# Altium PCB US_SB_GHW.PcbDoc (part 1 of 2)
Units mm, origin at the board's own origin, x right, y up, seen from the top; angles counter-clockwise.
Board outline 89 x 93.3 mm, 2 copper layers (Top Layer, Bottom Layer); 129 components, 87 nets, 555 pads, 277 vias.
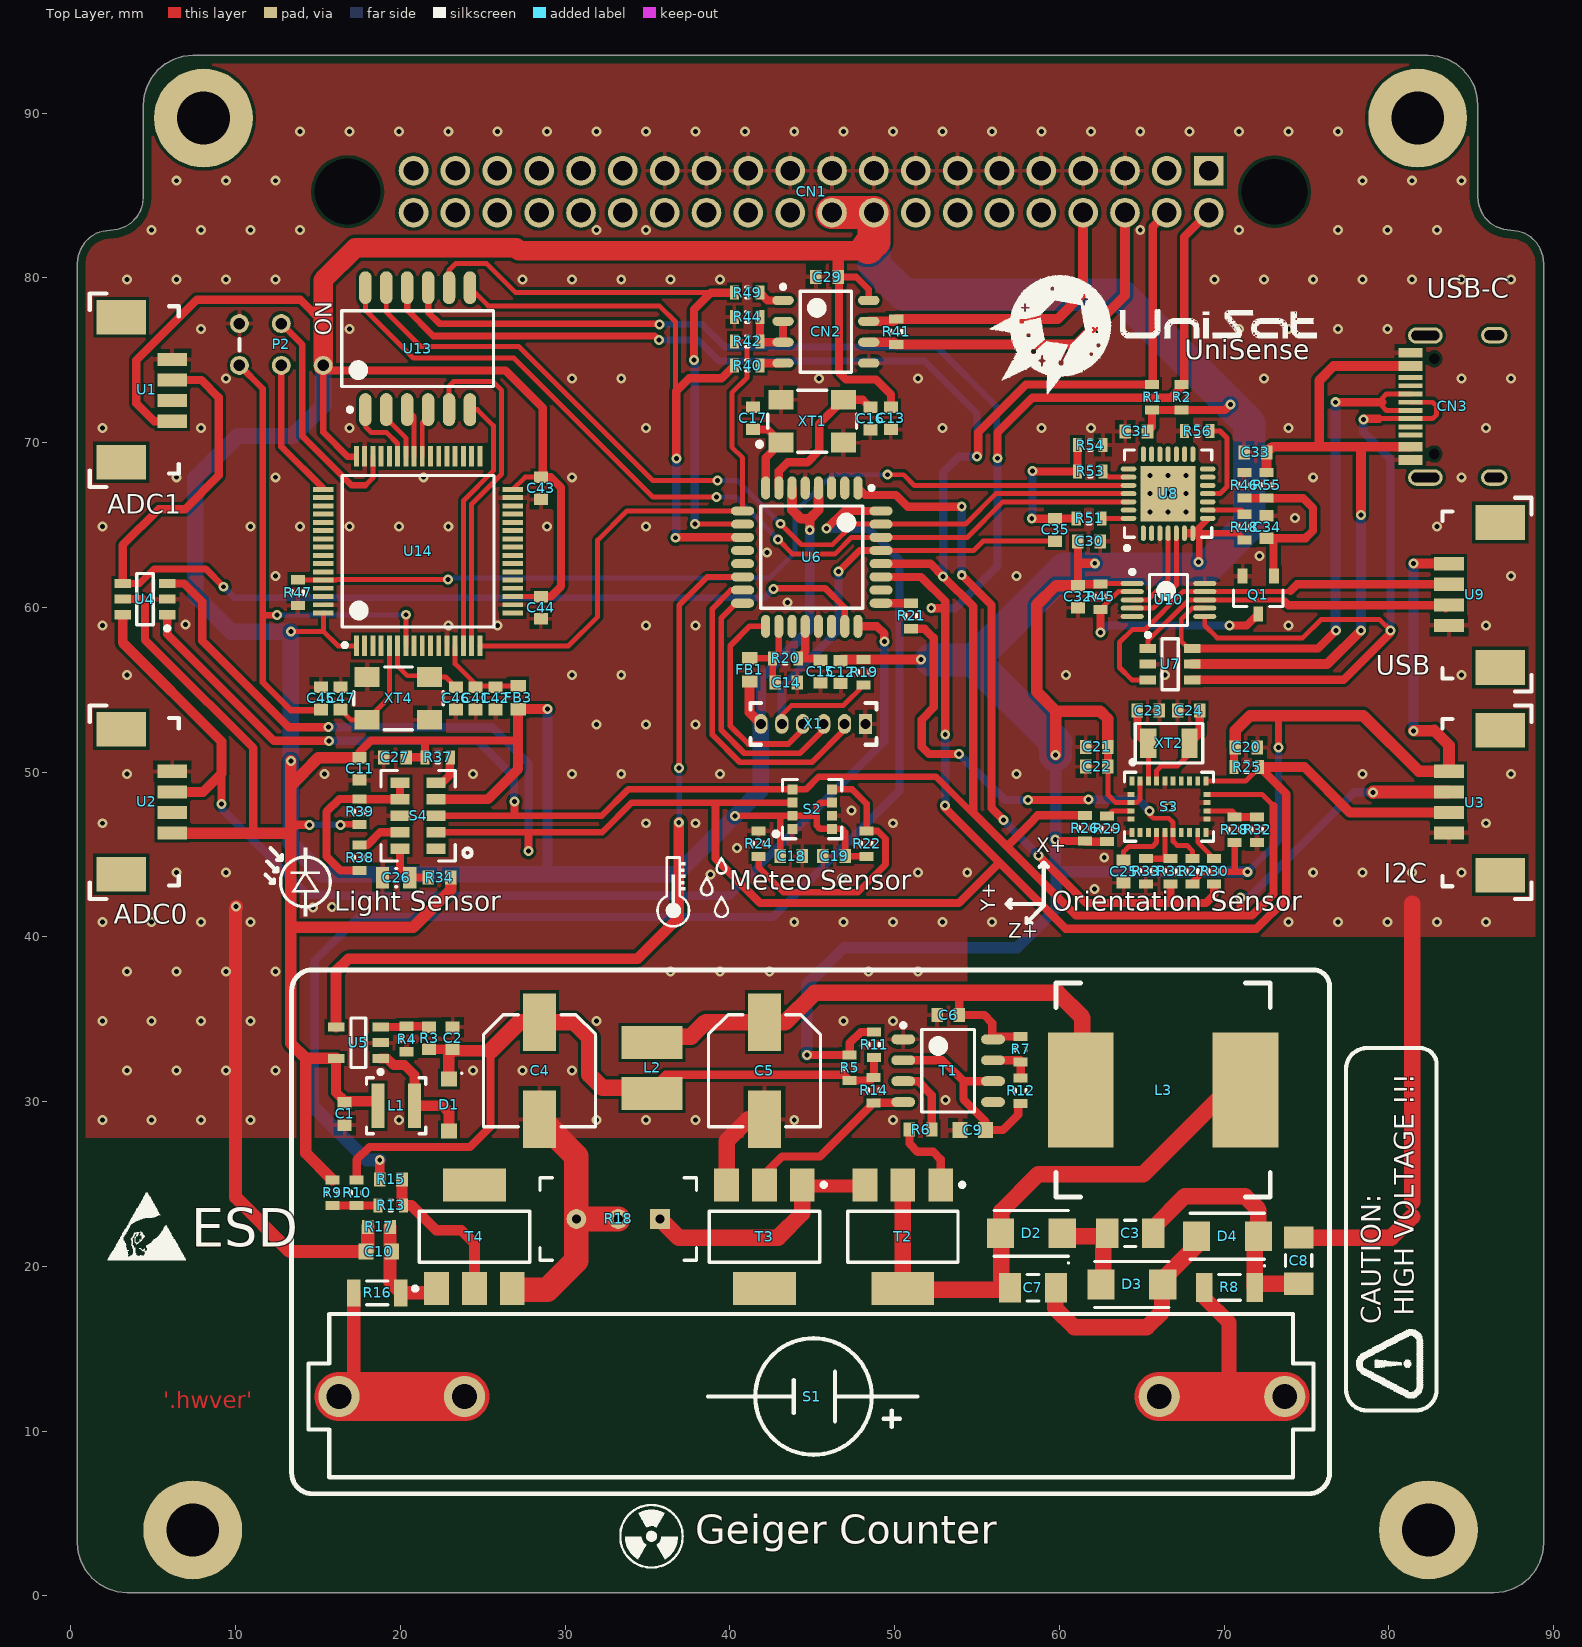
[diagram p0: Top Layer view]
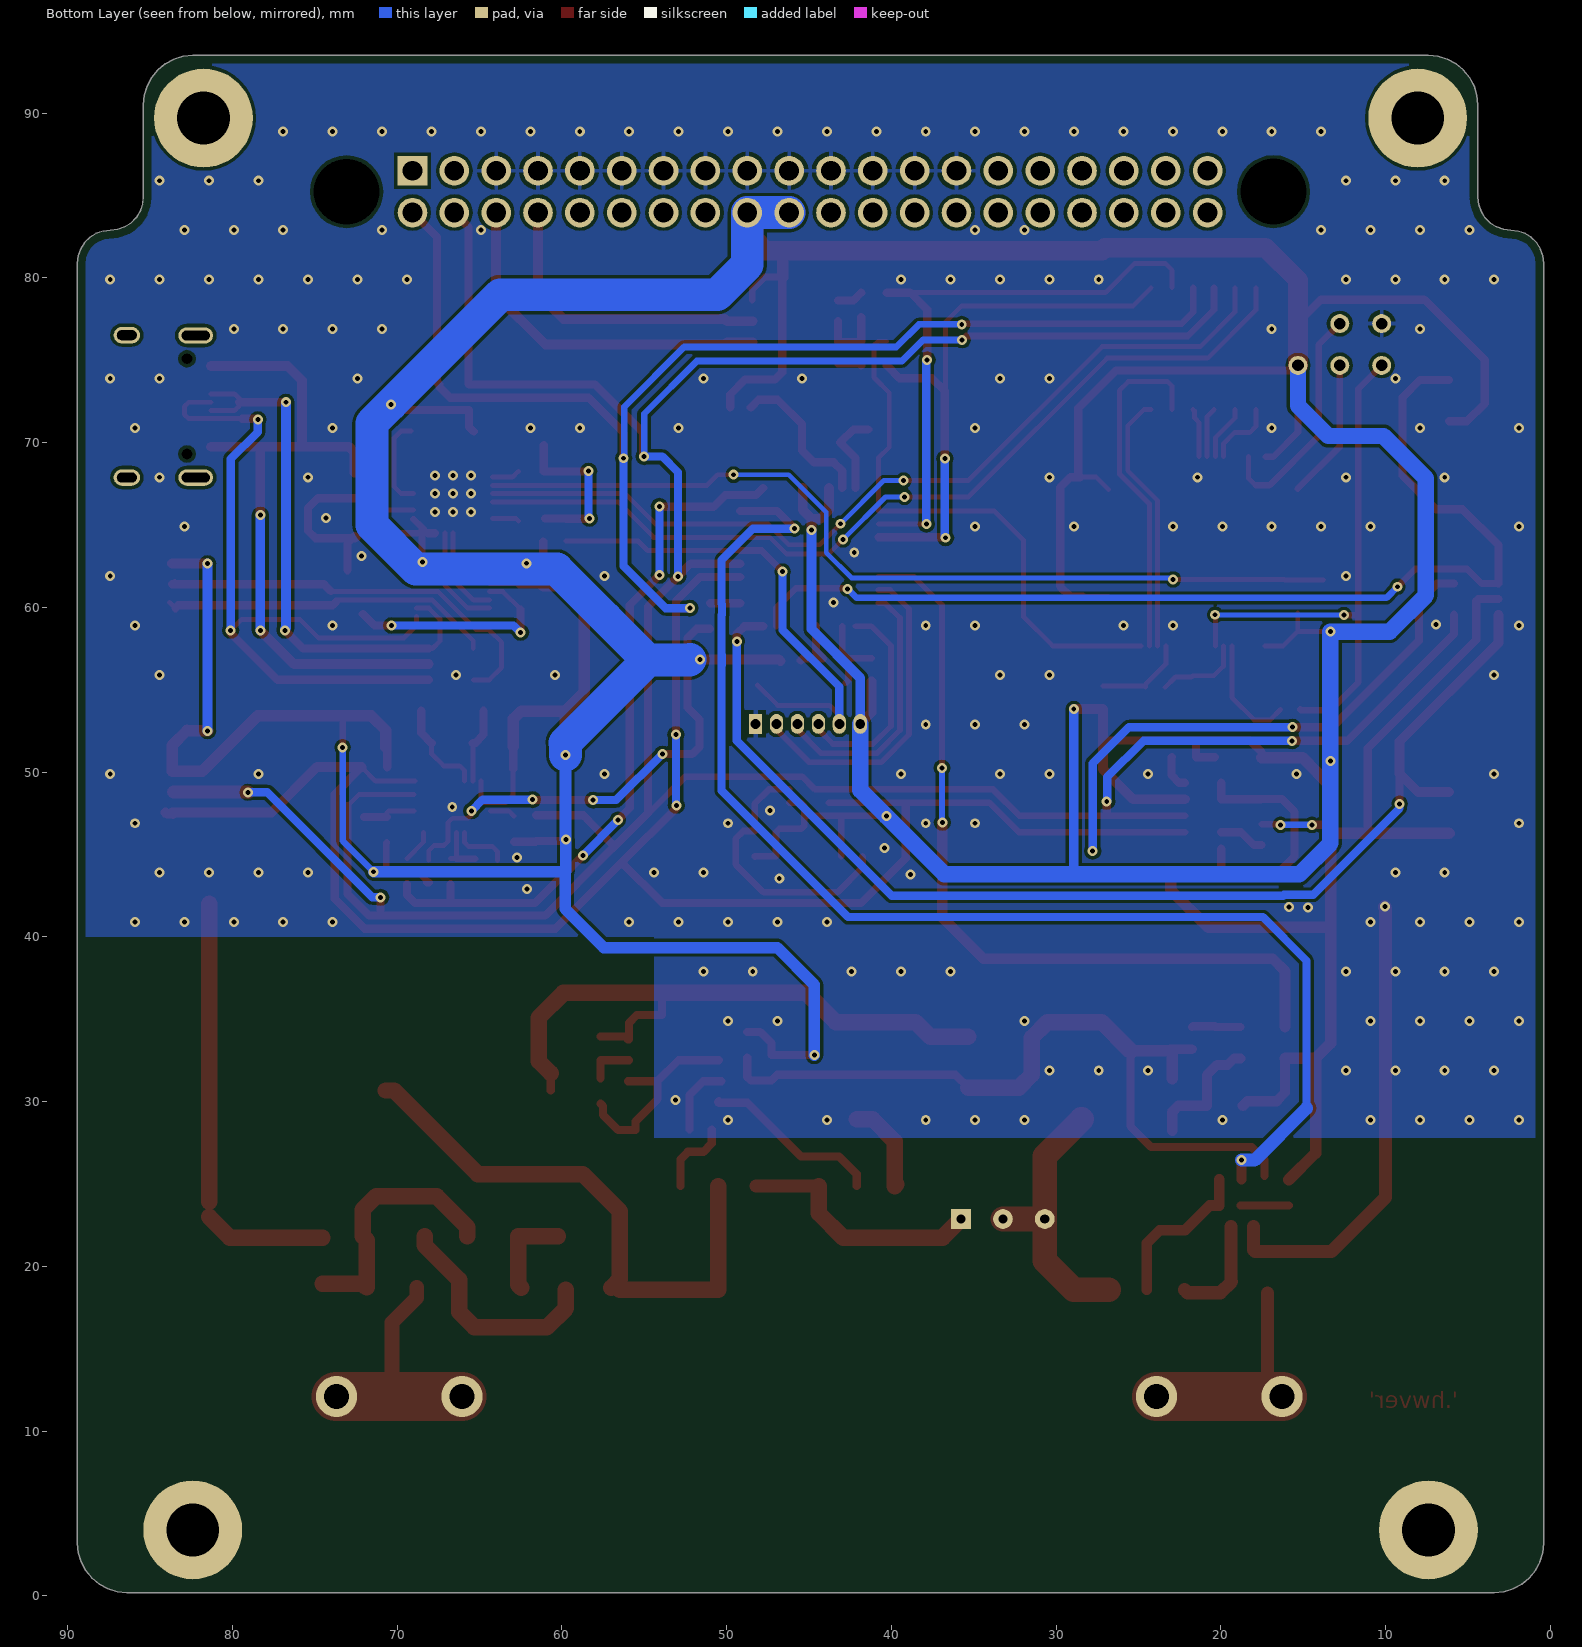
[diagram p1: Bottom Layer view, seen from below]
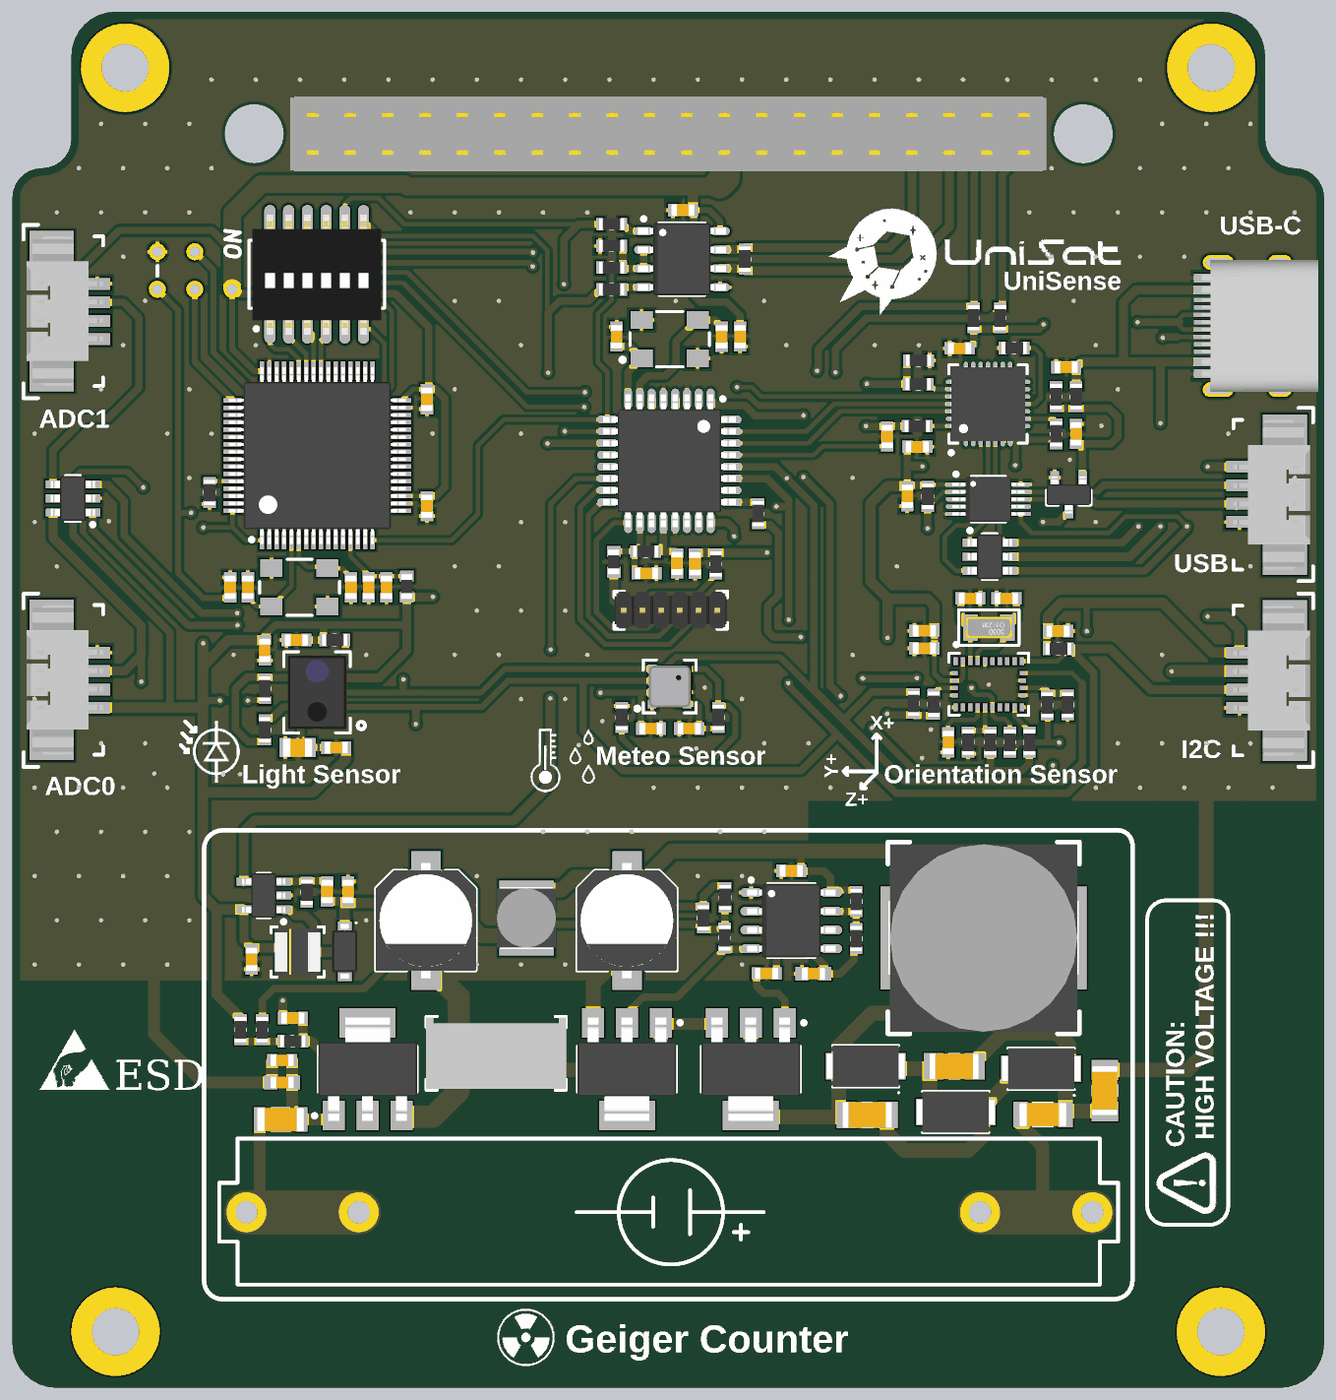
[diagram p3: 3D render of the assembled board from above, using the file's embedded part models]

## Layer stack, top to bottom
Top Solder: solder mask 0.0102, Solder Resist, Dk 3.5
Top Layer: signal copper 0.0356
Dielectric 1: dielectric 0.32, FR-4, Dk 4.8
Bottom Layer: signal copper 0.0356
Bottom Solder: solder mask 0.0102, Solder Resist, Dk 3.5

## Board outline
82.4,93.5 7.4,93.5 6.815,93.442 6.252,93.272 5.733,92.994 5.279,92.621 4.906,92.167 4.628,91.648 4.458,91.085 4.4,90.5 4.4,84.892 4.35,84.447 4.202,84.024 3.964,83.645 3.647,83.329 3.268,83.09 2.845,82.942 2.4,82.892 1.955,82.842 1.532,82.694 1.153,82.456 0.836,82.139 0.598,81.76 0.45,81.337 0.4,80.892 0.4,3.2 0.458,2.615 0.628,2.052 0.906,1.533 1.279,1.079 1.733,0.706 2.252,0.428 2.815,0.258 3.4,0.2 86.4,0.2 86.985,0.258 87.548,0.428 88.067,0.706 88.521,1.079 88.894,1.533 89.172,2.052 89.342,2.615 89.4,3.2 89.4,80.892 89.35,81.337 89.202,81.76 88.964,82.139 88.647,82.456 88.268,82.694 87.845,82.842 87.4,82.892 86.955,82.942 86.532,83.09 86.153,83.329 85.836,83.645 85.598,84.024 85.45,84.447 85.4,84.892 85.4,90.5 85.342,91.085 85.172,91.648 84.894,92.167 84.521,92.621 84.067,92.994 83.548,93.272 82.985,93.442

## Design rules (kind name [scope] priority, off if disabled: settings)
BoardOutlineClearance [All] p1: gap=0.5
Clearance [All] p1: gap=0.2
HoleSize [All] p1: absolutevalues=TRUE maxlimit=6.2 minlimit=0.3 maxpercent=80.000 minpercent=20.000
MinimumSolderMaskSliver MinimumSolderMaskSliver_SOTFL5 [HasFootprint('SOTFL5')] p1: minsoldermaskwidth=0.051
MinimumSolderMaskSliver MinimumSolderMaskSliver_cp2102 [HasFootprint('CP2102\9_QFN50P500X500X80_HS-29N')] p2: minsoldermaskwidth=0.051
MinimumSolderMaskSliver MinimumSolderMaskSliver_typec [HasFootprint('TYPE-C-C165948')] p3: minsoldermaskwidth=0.075
MinimumSolderMaskSliver MinimumSolderMaskSliver_msop10 [HasFootprint('MSOP-10')] p4: minsoldermaskwidth=0.075
MinimumSolderMaskSliver MinimumSolderMaskSliver_ALL [All] p5: minsoldermaskwidth=0.102
PolygonConnect [InNet('GND')and IsVia] p1: connectstyle=Direct reliefconductorwidth=0.254 reliefentries=4 polygonreliefangle="90 Angle" airgapwidth=0.254
PolygonConnect PolygonConnect_ALL [All] p2: connectstyle=Relief reliefconductorwidth=0.254 reliefentries=4 polygonreliefangle="90 Angle" airgapwidth=0.254
RoutingVias [All] p1: holewidth=0.3 width=0.605 viastyle="Through Hole" minholewidth=0.3 minwidth=0.605 maxholewidth=6 maxwidth=6
SilkToSolderMaskClearance [IsPad] p1: minsilkscreentomaskgap=0.152 clearancetoexposedcopper=TRUE
SolderMaskExpansion [All] p1: expansion=0.102
Width [All] p1: maxlimit=10 minlimit=0.254 preferedwidth=0.254
27 further rules are at their usual default settings.

## Classes and differential pairs
component class Designator: C30 C31 C32 C33 C34 C35 CN3 Q1 R45 R46 R48 R51 R53 R54 R55 R56 U7 U8 U9 U10

## Components (designator, comment, footprint, x,y, rotation, side; value= is the part's Value field where it differs from the comment)
C1 "1u" C0603_IPC_HD 16.625,29.25 r90 top
C2 "1u" C0603_IPC_HD 23.175,33.85 r270 top
C3 "10nF" Chip2Pin1206_10n 64.3,22 r0 top
C4 "100uF" CAPAE7866X77_100uF16V 28.45,31.875 r270 top
C5 "100uF" CAPAE7866X77_100uF16V 42.1,31.875 r270 top
C6 "100n" C0603_IPC_HD 53.25,35.25 r180 top
C7 "10nF" Chip2Pin1206_10n 58.4,18.7 r0 top
C8 "10nF" Chip2Pin1206_10n 74.525,20.35 r270 top
C9 "1nF" C0603_IPC_MD 54.75,28.275 r0 top
C10 "1nF" C0603_IPC_MD 18.7,20.9 r0 top
C11 "100n" C0603_IPC_HD 17.525,50.2 r270 top
C12 "100n" C0603_IPC_HD 46.725,56.075 r270 top
C13 "100n" C0603_IPC_HD 49.775,71.475 r270 top
C14 "100n" C0603_IPC_HD 43.425,55.425 r0 top
C15 "100n" C0603_IPC_HD 45.5,56.1 r270 top
C16 "18p" C0603_IPC_HD 48.525,71.461 r90 top
C17 "18p" C0603_IPC_HD 41.4,71.475 r270 top
C18 "100n" C0603_IPC_HD 43.725,44.9 r180 top
C19 "100n" C0603_IPC_HD 46.325,44.9 r0 top
C20 "100n" C0603_IPC_HD 71.35,51.507 r0 top
C21 "100n" C0603_IPC_HD 62.275,51.525 r180 top
C22 "100n" C0603_IPC_HD 62.275,50.334 r180 top
C23 "18p" C0603_IPC_HD 65.4,53.725 r180 top
C24 "18p" C0603_IPC_HD 67.85,53.725 r0 top
C25 "100n" C0603_IPC_HD 63.9,43.961 r90 top
C26 "22u" C0805_IPC_HD 19.75,43.6 r0 top
C27 "100n" C0603_IPC_HD 19.675,50.9 r180 top
C29 "100n" C0603_IPC_HD 45.9,80.05 r0 top
C30 "4.7µF" C0603_IPC_HD 61.8,64 r180 top
C31 "100n" C0603_IPC_HD 64.675,70.675 r0 top
C32 "100n" C0603_IPC_HD 61.125,60.65 r90 top
C33 "100n" C0603_IPC_HD 71.9,69.4 r0 top
C34 "100n" C0603_IPC_HD 72.575,64.875 r270 top
C35 "100n" C0603_IPC_HD 59.75,64.7 r90 top
C41 "100n" C0603_IPC_HD 24.575,54.475 r90 top
C42 "1u" C0603_IPC_HD 25.775,54.475 r90 top
C43 "1u" C0603_IPC_HD 28.525,67.225 r90 top
C44 "100n" C0603_IPC_HD 28.525,59.975 r90 top
C45 "100n" C0603_IPC_HD 15.175,54.475 r90 top
C46 "18p" C0603_IPC_HD 23.375,54.475 r90 top
C47 "18p" C0603_IPC_HD 16.375,54.475 r270 top
CN1 "55040F" HEADER_40PIN_12MM2 69.063,86.5 r180 top locked
CN2 "ST1480ABDR" SOIC-8 45.831,76.727 r0 top
CN3 "TYPE-C-31-M-12" TYPE-C-C165948 86.4,72.2 r90 top
D1 "Value" 1N5819HW_SODFL370X135-2N 22.95,29.8 r270 top
D2 "#NAME?" RS1J-DFN 58.3,22 r180 top
D3 "#NAME?" RS1J-DFN 64.4,18.9 r180 top
D4 "#NAME?" RS1J-DFN 70.2,21.825 r180 top
FB1 "MH1608-601Y" L0603_IPC_MD 41.2,56.2 r270 top
FB3 "MH1608-601Y" L0603_IPC_MD 27.15,54.525 r90 top
L1 "10µH" NRH3012T100MN 19.75,29.75 r0 top
L2 "100uH" IND100uH_4040X18N 35.275,32.05 r90 top
L3 "10mH" IND10MH_12.7X12.7 66.3,30.7 r180 top
P2 "SWD" SWD_CON_VAR1 10.235,74.685 r90 top
Q1 "BSS205NH6327XTSA1" SOT23 72.075,60.75 r270 top
R1 "0R" R0603_IPC_MD 65.625,72.75 r90 top
R2 "0R" R0603_IPC_MD 67.425,72.75 r90 top
R3 "3k" C0603_IPC_HD 21.75,33.85 r270 top
R4 "1k" R0603_IPC_MD 20.375,33.8 r90 top
R5 "0R" R0603_IPC_MD 47.275,32.05 r270 top
R6 "3k" C0603_IPC_HD 51.575,28.3 r180 top
R7 "33.2k" R0603_IPC_MD 57.65,33.175 r90 top
R8 "10MR" C1206_IPC_MD 70.325,18.725 r180 top
R9 "0R" R0603_IPC_MD 15.875,24.475 r90 top
R10 "0R" R0603_IPC_MD 17.35,24.475 r90 top
R11 "0R" R0603_IPC_MD 48.75,33.45 r90 top
R12 "33.2k" R0603_IPC_MD 57.65,30.65 r90 top
R13 "47K" R0603_IPC_HD 19.425,23.7 r180 top
R14 "100k" R0603_IPC_MD 48.725,30.7 r90 top
R15 "470k" C0603_IPC_HD 19.425,25.275 r180 top
R16 "10k" C1206_IPC_HD 18.6,18.39 r180 top
R17 "470k" C0603_IPC_HD 18.7,22.4 r0 top
R18 "1-100R" 3296W_POT 33.225,22.875 r180 top
R19 "10.0k" R0603_IPC_MD 48.125,56.05 r90 top
R20 "0R" R0603_IPC_MD 43.375,56.9 r0 top
R21 "0R" R0603_IPC_MD 51,59.475 r270 top
R22 "0R" R0603_IPC_MD 48.3,45.65 r270 top
R24 "0R" R0603_IPC_MD 41.75,45.65 r270 top
R25 "4.7k" R0603_IPC_HD 71.375,50.3 r180 top
R26 "4.7k" R0603_IPC_HD 61.55,46.6 r270 top
R27 "10.0k" R0603_IPC_MD 68.075,43.975 r270 top
R28 "10.0k" R0603_IPC_MD 70.625,46.5 r270 top
R29 "10.0k" R0603_IPC_MD 62.9,46.55 r270 top
R30 "0R" R0603_IPC_MD 69.4,43.975 r90 top
R31 "0R" R0603_IPC_MD 66.75,43.975 r90 top
R32 "10.0k" R0603_IPC_MD 72,46.5 r90 top
R33 "0R" R0603_IPC_MD 65.25,43.975 r90 top
R34 "30R" C0603_IPC_HD 22.375,43.6 r180 top
R37 "4.7k" R0603_IPC_HD 22.275,50.9 r180 top
R38 "0R" R0603_IPC_MD 17.525,44.8 r90 top
R39 "0R" R0603_IPC_MD 17.525,47.6 r270 top
R40 "22R" R0603_IPC_MD 41.05,74.675 r0 top
R41 "120R" R0603_IPC_MD 50.1,76.725 r270 top
R42 "22R" R0603_IPC_MD 41.05,76.15 r0 top
R44 "100k" R0603_IPC_MD 41.05,77.625 r0 top
R45 "47K" R0603_IPC_HD 62.5,60.65 r90 top
R46 "47K" R0603_IPC_HD 71.225,67.4 r90 top
R47 "100k" R0603_IPC_MD 13.775,60.9 r270 top
R48 "4.7k" R0603_IPC_HD 71.225,64.875 r270 top
R49 "22R" R0603_IPC_MD 41.05,79.1 r0 top
R51 "0R" R0603_IPC_MD 61.8,65.4 r0 top
R53 "0R" R0603_IPC_MD 61.866,68.25 r0 top
R54 "1k" R0603_IPC_MD 61.875,69.85 r180 top
R55 "1k" R0603_IPC_MD 72.575,67.4 r270 top
R56 "10.0k" R0603_IPC_MD 68.375,70.7 r0 top
S1 "Value" SI-3BG 73.68,12.1 r180 top
S2 "BME680" BME680 45,47.75 r180 top
S3 "BNO055" BNO055_LGA28R50P4X10_380X520X100 66.65,47.9 r0 top
S4 "SI1145-M01-GM" Si1145 21.075,47.35 r180 top
T1 "TS555IDTTR" SOIC127P600X175-(TS555) 53.25,31.875 r0 top
T2 "#NAME?" PZTA42T1G_SOT230P 50.5,21.8 r270 top
T3 "#NAME?" PZT3904_SOT223 42.1,21.8 r270 top
T4 "#NAME?" PZT3904_SOT223 24.5,21.8 r90 top
U1 "0533980471" PB_53261-0471_RIGHT 6.15,71.3 r90 top locked
U2 "0533980471" PB_53261-0471_RIGHT 6.15,46.3 r90 top locked
U3 "0533980471" PB_53261-0471_RIGHT 83.65,50.05 r270 top locked
U4 "TPD4E001DBVR" SOT23-6 4.5,60.5 r180 top
U5 "AP3012KTR-G1" AP3012_SOT95P280X145-5N 17.45,33.575 r180 top
U6 "ATMEGA328P-AU" ATmega328P_TQFP80P900X900X120-32N 44.975,63.05 r270 top
U7 "TPD4E001DBVR" SOT23-6 66.725,56.55 r0 top
U8 "CP2102-GMR" CP2102\9_QFN50P500X500X80_HS-29N 66.6,66.9 r90 top
U9 "0533980471" PB_53261-0471_RIGHT 83.65,62.65 r270 top locked
U10 "FSUSB42MUX" MSOP-10 66.625,60.45 r0 top
U13 "DSHP06TS-S" SOIC_SW_SOIC127P850X235-12N 21.05,75.7 r90 top
U14 "STM32L073RZT6" LQFP64_10X10MM 21.08,63.409 r90 top
X1 "M50-3530642" PLS_1X6_1.27 45.06,52.925 r180 top
XT1 "8 MHz" 5.0X3.2_4PAD_SMT 45,71.3 r0 top
XT2 "32.768kHz" FC-135R 67.9,51.75 r180 top
XT4 "8 MHz" 5.0X3.2_4PAD_SMT 19.875,54.475 r0 top

## Footprints (in the part's own frame and the unit in brackets; to place one, negate y for a bottom-side part, rotate by r counter-clockwise, add the part's x,y. Pads: shape width x height; smd on the part's side, far side on the other; paste and mask are expansions set on the pad)
1N5819HW_SODFL370X135-2N [mm] "SODFL, 2-Leads, Body 1,55x3,70mm, IPC Medium Density"
  rect 0.9x0.95 smd: 1(1.575,0) 2(-1.575,0)
  silkscreen extent -1.97,0.73 -1.88,0.82, body extent -1.85,-0.85 1.85,0.85, height 1.35
5.0X3.2_4PAD_SMT [mm] "5.0mm x 3.2mm Oscillator"
  rect 1.5x1.2 smd paste+0: 1(-1.9,-1.3) 2(1.9,-1.3) 3(1.9,1.3) 4(-1.9,1.3)
  silkscreen extent -3.33,-1.88 2.69,1.88, body extent -2.55,-1.65 2.55,1.65, height 1.5
3296W_POT [mm] "Rectangular - 0.375\" x 0.190\" Face x 0.395\" H (9.53mm x 4.83mm x 10.03mm)"
  rect 1.2x1.2 hole 0.55: 1(-2.54,0)
  round 1.2 hole 0.55: 2(0,0) 2(2.54,0)
  silkscreen extent -4.75,-2.5 4.75,2.5, body extent -4.76,-2.42 4.76,2.4, height 11.52
AP3012_SOT95P280X145-5N [mm] "SOT23, 5-Leads, Body 2,92x2,80mm, Pitch 0,95mm, IPC Medium Density"
  rect 1x0.55 smd: 1(-1.35,0.95) 2(-1.35,0) 3(-1.35,-0.95) 4(1.35,-0.95) 5(1.35,0.95)
  silkscreen extent -1.48,-1.5 0.45,1.9, body extent -1.48,-1.51 1.48,1.51, height 1.45
ATmega328P_TQFP80P900X900X120-32N [mm] "TQFP, 32-Leads, Body 7,00x7,00mm, Pitch 0,80mm, IPC Medium Density"
  oval 1.4x0.55 smd mask+0.051: 1(-4.2,2.8) 2(-4.2,2) 3(-4.2,1.2) 4(-4.2,0.4) 5(-4.2,-0.4) 6(-4.2,-1.2) 7(-4.2,-2) 8(-4.2,-2.8) 17(4.2,-2.8) 18(4.2,-2) 19(4.2,-1.2) 20(4.2,-0.4) 21(4.2,0.4) 22(4.2,1.2) 23(4.2,2) 24(4.2,2.8)
  oval 0.55x1.4 smd mask+0.051: 9(-2.8,-4.2) 10(-2,-4.2) 11(-1.2,-4.2) 12(-0.4,-4.2) 13(0.4,-4.2) 14(1.2,-4.2) 15(2,-4.2) 16(2.8,-4.2) 25(2.8,4.2) 26(2,4.2) 27(1.2,4.2) 28(0.4,4.2) 29(-0.4,4.2) 30(-1.2,4.2) 31(-2,4.2) 32(-2.8,4.2)
  silkscreen extent -4.32,-3.1 3.1,3.75, body extent -4.5,-4.5 4.5,4.5, height 1.2
BME680 [mm] "SENSOR RH PRESSURE TEMP VOC"
  rect 0.6x0.6 smd: 1(1.2,1.2) 2(1.2,0.4) 3(1.2,-0.4) 4(1.2,-1.2) 5(-1.2,-1.2) 6(-1.2,-0.4) 7(-1.2,0.4) 8(-1.2,1.2)
  silkscreen extent -1.8,-1.8 2.34,1.8, body extent -1.5,-1.5 1.5,1.5, height 0.8
BNO055_LGA28R50P4X10_380X520X100 [mm]
  rect 0.3x0.525 smd: 1(-2.25,1.562) 6(-2.25,-1.562) 7(-1.75,-1.562) 8(-1.25,-1.562) 9(-0.75,-1.562) 10(-0.25,-1.562) 11(0.25,-1.562) 12(0.75,-1.562) 13(1.25,-1.562) 14(1.75,-1.562) 15(2.25,-1.562) 20(2.25,1.562) 21(1.75,1.562) 22(1.25,1.562) 23(0.75,1.562) 24(0.25,1.562) 25(-0.25,1.562) 26(-0.75,1.562) 27(-1.25,1.562) 28(-1.75,1.562)
  rect 0.425x0.3 smd: 2(-2.312,0.75) 3(-2.312,0.25) 4(-2.312,-0.25) 5(-2.312,-0.75) 16(2.312,-0.75) 17(2.312,-0.25) 18(2.312,0.25) 19(2.312,0.75)
  silkscreen extent -2.7,-2.1 2.7,2.8, body extent -2.6,-1.9 2.6,1.9, height 1.1
C0603_IPC_HD [mm] "Chip Capacitor, 2-Leads, Body 1,60x0,80mm, IPC High Density"
  rect 0.7x0.85 smd: 1(-0.675,0) 2(0.675,0)
  body extent -0.8,-0.4 0.8,0.4, height 0.8
C0603_IPC_MD [mm] "Chip Capacitor, 2-Leads, Body 1,60x0,80mm, IPC Medium Density"
  rect 0.9x0.95 smd: 1(-0.775,0) 2(0.775,0)
  body extent -0.8,-0.4 0.8,0.4, height 0.8
C0805_IPC_HD [mm] "Chip Capacitor, 2-Leads, Body 2,00x1,25mm, IPC High Density"
  rect 0.8x1.3 smd: 1(-0.825,0) 2(0.825,0)
  silkscreen extent -0.05,-0.55 0.05,0.55, body extent -1,-0.63 1,0.63, height 1.25
C1206_IPC_HD [mm] "Chip Capacitor, 2-Leads, Body 3,20x1,60mm, IPC High Density"
  rect 0.8x1.65 smd: 1(-1.425,0) 2(1.425,0)
  silkscreen extent -0.65,-0.72 0.65,0.72, body extent -1.6,-0.8 1.6,0.8, height 1.6
C1206_IPC_MD [mm] "Chip Capacitor, 2-Leads, Body 3,20x1,60mm, IPC Medium Density"
  rect 1x1.75 smd: 1(-1.525,0) 2(1.525,0)
  silkscreen extent -0.65,-0.77 0.65,0.77, body extent -1.6,-0.8 1.6,0.8, height 1.6
CAPAE7866X77_100uF16V [mm] "Aluminum Electrolytic Capacitor, Body 6,60x6,60x7,70mm, IPC Low Density"
  rect 3.5x2 smd: 1(-2.95,0) 2(2.95,0)
  silkscreen extent -3.4,-3.4 3.4,3.4, body extent -3.9,-3.4 3.9,3.4, height 7.7
Chip2Pin1206_10n [mm]
  rect 1.35x1.8 smd: 1(-1.4,0) 2(1.4,0)
  silkscreen extent -0.35,-0.8 0.35,0.8, body extent -1.68,-0.87 1.68,0.87, height 1.25
CP2102\9_QFN50P500X500X80_HS-29N [mm] "QFN, 28-Leads, Body 5,00x5,00mm, Pitch 0,50mm, Thermal Pad 3,35x3,35mm, IPC Medium Density"
  oval 0.95x0.3 smd mask+0.051: 1(-2.4,1.5) 2(-2.4,1) 3(-2.4,0.5) 4(-2.4,0) 5(-2.4,-0.5) 6(-2.4,-1) 7(-2.4,-1.5) 15(2.4,-1.5) 16(2.4,-1) 17(2.4,-0.5) 18(2.4,0) 19(2.4,0.5) 20(2.4,1) 21(2.4,1.5)
  oval 0.3x0.95 smd mask+0.051: 8(-1.5,-2.4) 9(-1,-2.4) 10(-0.5,-2.4) 11(0,-2.4) 12(0.5,-2.4) 13(1,-2.4) 14(1.5,-2.4) 22(1.5,2.4) 23(1,2.4) 24(0.5,2.4) 25(0,2.4) 27(-1,2.4) 28(-1.5,2.4)
  oval 0.3x0.95 smd mask+0.05: 26(-0.5,2.4)
  rect 3.35x3.35 smd mask+0.051: 29(0,0)
  silkscreen extent -3.42,-2.65 2.65,2.65, body extent -2.52,-2.52 2.53,2.53, height 0.8
FC-135R [mm] "FC-135 32.7680KA-A5.FC-135 32.7680KA-A5"
  rect 1x1.8 smd: 1(0,0) 2(2.5,0)
  silkscreen extent -0.8,-1.2 3.3,1.2, body extent -0.35,-0.75 2.85,0.75, height 0.9
HEADER_40PIN_12MM2 [mm] "CONN HEADER R/A 40POS 2.54MM"
  rect 1.8x1.8 hole 1.2: 1(0,0)
  round 1.8 hole 1.2: 2(0,2.54) 3(2.54,0) 4(2.54,2.54) 5(5.08,0) 6(5.08,2.54) 7(7.62,0) 8(7.62,2.54) 9(10.16,0) 10(10.16,2.54) 11(12.7,0) 12(12.7,2.54) 13(15.24,0) 14(15.24,2.54) 15(17.78,0) 16(17.78,2.54) 17(20.32,0) 18(20.32,2.54) 19(22.86,0) 20(22.86,2.54) 21(25.4,0) 22(25.4,2.54) 23(27.94,0) 24(27.94,2.54) 25(30.48,0) 26(30.48,2.54) 27(33.02,0) 28(33.02,2.54) 29(35.56,0) 30(35.56,2.54) 31(38.1,0) 32(38.1,2.54) 33(40.64,0) 34(40.64,2.54) 35(43.18,0) 36(43.18,2.54) 37(45.72,0) 38(45.72,2.54) 39(48.26,0) 40(48.26,2.54)
  round 2 hole 4 unplated: PMNT1(-4,1.275) PMNT2(52.26,1.27)
  body extent -1.5,-1.26 49.81,3.82, height 11.05
IND10MH_12.7X12.7 [mm] "Precision Wire Wound Inductor, 2-Leads, Body 12,70x12,70mm, IPC Medium Density"
  rect 4x7 smd: 1(-5,0) 2(5,0)
  silkscreen extent -6.5,-6.5 6.5,6.5, body extent -6.45,-6.35 6.45,6.35, height 8.6
IND100uH_4040X18N [mm] "Precision Wire Wound Inductor, 2-Leads, Body 4,00x4,00mm, IPC Medium Density"
  rect 2x3.7 smd: 1(-1.55,0) 2(1.55,0)
  body extent -2.1,-2 2.1,2, height 1.9
L0603_IPC_MD [mm] "Chip Inductor, 2-Leads, Body 1,60x0,80mm, IPC Medium Density"
  rect 0.75x0.94 smd: 1(-0.705,0) 2(0.705,0)
  body extent -0.85,-0.4 0.85,0.4, height 0.8
LQFP64_10X10MM [mm] "LQFP, 64-Leads, Body 10,00x10,00mm, Pitch 0,50mm, IPC Medium Density"
  rect 1.25x0.3 smd: 1(-5.75,3.75) 2(-5.75,3.25) 3(-5.75,2.75) 4(-5.75,2.25) 5(-5.75,1.75) 6(-5.75,1.25) 7(-5.75,0.75) 8(-5.75,0.25) 9(-5.75,-0.25) 10(-5.75,-0.75) 11(-5.75,-1.25) 12(-5.75,-1.75) 13(-5.75,-2.25) 14(-5.75,-2.75) 15(-5.75,-3.25) 16(-5.75,-3.75) 33(5.75,-3.75) 34(5.75,-3.25) 35(5.75,-2.75) 36(5.75,-2.25) 37(5.75,-1.75) 38(5.75,-1.25) 39(5.75,-0.75) 40(5.75,-0.25) 41(5.75,0.25) 42(5.75,0.75) 43(5.75,1.25) 44(5.75,1.75) 45(5.75,2.25) 46(5.75,2.75) 47(5.75,3.25) 48(5.75,3.75)
  rect 0.3x1.25 smd: 17(-3.75,-5.75) 18(-3.25,-5.75) 19(-2.75,-5.75) 20(-2.25,-5.75) 21(-1.75,-5.75) 22(-1.25,-5.75) 23(-0.75,-5.75) 24(-0.25,-5.75) 25(0.25,-5.75) 26(0.75,-5.75) 27(1.25,-5.75) 28(1.75,-5.75) 29(2.25,-5.75) 30(2.75,-5.75) 31(3.25,-5.75) 32(3.75,-5.75) 49(3.75,5.75) 50(3.25,5.75) 51(2.75,5.75) 52(2.25,5.75) 53(1.75,5.75) 54(1.25,5.75) 55(0.75,5.75) 56(0.25,5.75) 57(-0.25,5.75) 58(-0.75,5.75) 59(-1.25,5.75) 60(-1.75,5.75) 61(-2.25,5.75) 62(-2.75,5.75) 63(-3.25,5.75) 64(-3.75,5.75)
  silkscreen extent -5.82,-4.6 4.6,4.6, body extent -6,-6 6,6, height 1.6
MSOP-10 [mm] "TSSOP, 10-Leads, Body 3.00x3.00mm, Pitch 0.50mm, IPC High Density"
  oval 1.4x0.3 smd mask+0.051: 1(-2.2,1) 2(-2.2,0.5) 3(-2.2,0) 4(-2.2,-0.5) 5(-2.2,-1) 6(2.2,-1) 7(2.2,-0.5) 8(2.2,0) 9(2.2,0.5) 10(2.2,1)
  silkscreen extent -2.32,-1.55 1.15,1.82, body extent -2.45,-1.55 2.45,1.55, height 0.95
NRH3012T100MN [mm] "0.118\" L x 0.118\" W (3.00mm x 3.00mm)"
  rect 0.8x2.7 smd: 1(-1.1,0) 2(1.1,0)
  silkscreen extent -1.8,-1.7 1.8,1.7, body extent -1.55,-1.55 1.55,1.55, height 1.19
PB_53261-0471_RIGHT [mm]
  rect 0.8x1.8 smd: 1(0,0) 2(1.25,0) 3(2.5,0) 4(3.75,0)
  rect 2.1x3 smd: 5(-2.5,3.1) 5(6.3,3.1)
  silkscreen extent -4,-0.4 7.75,5, body extent -3.17,-0.4 6.97,4.8, height 3.4
PLS_1X6_1.27 [mm] "3.10mm, 4.60mm, 5.40mm"
  rect 0.8x1.2 hole 0.6 mask+0.051: 1(-3.175,0)
  oval 0.8x1.2 hole 0.6 mask+0.051: 2(-1.905,0) 3(-0.635,0) 4(0.635,0) 5(1.905,0) 6(3.175,0)
  silkscreen extent -3.85,-1.27 3.81,1.27, body extent -3.81,-1.25 3.81,1.25, height 4.6
PZT3904_SOT223 [mm]
  rect 2x1.5 smd: 1(-3.15,2.3) 2(-3.15,0) 3(-3.15,-2.3)
  rect 2x3.8 smd: 4(3.15,0)
  silkscreen extent -3.27,-3.35 1.55,3.73, body extent -3.5,-3.35 3.5,3.35, height 1.75
PZTA42T1G_SOT230P [mm] "SOT223, 4-Leads, Body 6,50x7,00mm (avg), Pitch 2,30mm, IPC Medium Density"
  rect 2x1.5 smd: 1(-3.15,2.3) 2(-3.15,0) 3(-3.15,-2.3)
  rect 2x3.8 smd: 2(3.15,0)
  silkscreen extent -3.27,-3.35 1.55,3.73, body extent -3.5,-3.35 3.5,3.35, height 1.75
R0603_IPC_HD [mm] "Chip Resistor, 2-Leads, Body 1,60x0,80mm, IPC Medium Density"
  rect 0.55x0.85 smd: 1(-0.775,0) 2(0.775,0)
  silkscreen extent -0.1,-0.33 0.1,0.33, body extent -0.85,-0.4 0.85,0.4, height 0.45
R0603_IPC_MD [mm] "Chip Resistor, 2-Leads, Body 1,60x0,80mm, IPC Medium Density"
  rect 0.55x0.85 smd: 1(-0.775,0) 2(0.775,0)
  silkscreen extent -0.1,-0.33 0.1,0.33, body extent -0.85,-0.4 0.85,0.4, height 0.45
RS1J-DFN [mm] "DFN, 2-Leads, Body 2,67x4,25mm, Pitch 3,76mm, IPC Medium Density"
  rect 1.65x1.8 smd: 1(1.88,0) 2(-1.88,0)
  silkscreen extent -2.3,-1.4 2.25,1.84, body extent -2.64,-1.4 2.64,1.4, height 2.29
Si1145 [mm] "Optical Sensor Ambient, IR, Ultraviolet (UV) 850nm I?C 10-SMD Module, No Lead"
  rect 1.15x0.65 smd: 1(-1.1,2) 2(-1.1,1) 3(-1.1,0) 4(-1.1,-1) 5(-1.1,-2) 6(1.1,-2) 7(1.1,-1) 8(1.1,0) 9(1.1,1) 10(1.1,2)
  silkscreen extent -3.25,-2.75 2.25,2.75, body extent -2,-2.5 2,2.5, height 1.3
SI-3BG [mm] "Geiger tube 400V"
  round 2.5 hole 1.5: 1(0,0) 1(7.62,0) 2(49.78,0) 2(57.4,0)
  silkscreen extent -1.75,-5 59.25,4.9, body extent -0.36,-4.91 57.85,4.76, height 13.26
SOIC127P600X175-(TS555) [mm] "SOIC, 8-Leads, Body 4,90x3,90mm, Pitch 1,27mm, IPC Medium Density"
  oval 1.45x0.6 smd: 1(-2.725,1.905) 2(-2.725,0.635) 3(-2.725,-0.635) 4(-2.725,-1.905) 5(2.725,-1.905) 6(2.725,-0.635) 7(2.725,0.635) 8(2.725,1.905)
  silkscreen extent -2.85,-2.5 1.6,2.88, body extent -3,-2.5 3,2.5, height 1.75
SOIC-8 [mm] "SOIC, 8-Leads, Body 4.93x3.94mm, Pitch 1.27mm, IPC High Density"
  oval 1.3x0.55 smd: 1(-2.6,1.905) 2(-2.6,0.635) 3(-2.6,-0.635) 4(-2.6,-1.905) 5(2.6,-1.905) 6(2.6,-0.635) 7(2.6,0.635) 8(2.6,1.905)
  silkscreen extent -2.72,-2.45 1.55,2.85, body extent -3,-2.45 3,2.45, height 1.63
SOIC_SW_SOIC127P850X235-12N [mm] "SOIC, 12-Leads, Body 9,22x5,35mm, Pitch 1,27mm, IPC Medium Density"
  oval 2x0.76 smd: 1(-3.7,3.175) 2(-3.7,1.905) 3(-3.7,0.635) 4(-3.7,-0.635) 5(-3.7,-1.905) 6(-3.7,-3.175) 7(3.7,-3.175) 8(3.7,-1.905) 9(3.7,-0.635) 10(3.7,0.635) 11(3.7,1.905) 12(3.7,3.175)
  silkscreen extent -3.82,-4.6 2.3,4.6, body extent -4.09,-4.38 4.04,4.38, height 2.3
SOT23 [mm] "SOT23, 3-Leads, Body 2,90x2,30mm, Pitch 0,95mm, IPC Medium Density"
  rect 0.9x0.6 smd: 1(-1.15,0.95) 2(-1.15,-0.95) 3(1.15,0)
  silkscreen extent -0.3,-1.5 0.7,1.5, body extent -1.25,-1.5 1.25,1.5, height 1.1
SOT23-6 [mm] "SOT23, 6-Leads, Body 2,90x2,80mm, Pitch 0,95mm, IPC Medium Density"
  rect 1x0.55 smd: 1(-1.35,0.95) 2(-1.35,0) 3(-1.35,-0.95) 4(1.35,-0.95) 5(1.35,0) 6(1.35,0.95)
  silkscreen extent -1.48,-1.55 0.5,1.9, body extent -1.5,-1.53 1.5,1.53, height 1.45
SWD_CON_VAR1 [mm] "Variant 1"
  round 1.15 hole 0.7: 1(0,0) 2(2.54,0) 3(0,-2.54) 4(2.54,-2.54) 5(0,-5.08)
  silkscreen extent 0.9,0 1.6,0
TYPE-C-C165948 [mm] "USB TYPE C"
  rect 0x0 hole 0.65 unplated rot 45: 0(-2.89,3.65) 0(2.89,3.65)
  rect 0.6x1.45 smd mask+0.051: A1(-3.25,5.095) A4(-2.45,5.095) A9(2.45,5.095) A12(3.25,5.095)
  rect 0.3x1.45 smd mask+0.051: A5(-1.25,5.095) A6(-0.25,5.095) A7(0.25,5.095) A8(1.25,5.095) B5(1.75,5.095) B6(0.75,5.095) B7(-0.75,5.095) B8(-1.75,5.095)
  oval 1x2.1 hole 0.6 slot 1.7 at 90 deg: SH1(-4.32,4.18) SH4(4.3,4.18)
  oval 1x1.6 hole 0.6 slot 1.2 at 90 deg: SH2(-4.32,0) SH3(4.32,0)
  body extent -4.46,-2.6 4.47,5.3, height 3.21

## Part data
C1 C2 C42 C43: library part CL10B105MO8NNWC, "CAP CER 1UF 16V X7R 0603"
C3 C7 C8: library part CL1206_10nF_1000V, "CAP CER 10000PF 1000V X7R 1206"
C4 C5: library part CP100uF_16V, "CAP ALUM 100UF 20% 16V SMD"
C6 C11 C12 C13 C14 C15 C18 C19 C20 C21 C22 C25 C27 C29 C31 C32 C33 C34 C35 C41 C44 C45: library part CL10B104KO8NNNC, "CAP CER 0.1UF 16V X7R 0603"
C9 C10: library part CL0603_1nF_0603, "CAP CER 1000PF 50V X7R 0603"
C16 C17 C23 C24 C46 C47: library part CL10C180JB8NNNC, "CAP CER 18PF 50V C0G/NP0 0603"
C26: library part CL21A226MOCLRNC, "CAP CER 22UF 16V X5R 0805"
C30: library part CL0603_4.7uF_10V, "4.7µF ±10% 10V Ceramic Capacitor X5R 0603 (1608 Metric)"
CN1: library part ALFASAT_BIC, "CONN HEADER R/A 40POS 2.54MM"
CN2: "IC TXRX 3.3V RS485/422 8 SOIC"
CN3: "TYPE C PCB TH CONN"
D1: library part 1N5819HW, "DIODE SCHOTTKY 40V 1A SOD123"
D2 D3 D4: library part RS1A-M, "DIODE GEN PURP 600V 1A SMA"
FB1 FB3: "FERRITE BEAD 600R@100MHz 0603 for Power Line, 1000mA"
L1: library part 10uH_Inductor_720mA, "10µH Shielded Wirewound Inductor 720mA 324mOhm Max Nonstandard"
L2: library part "100UH.Inductor 280mA", "100µH Inductor 280mA 1.74 Ohm Max Nonstandard"
L3: library part "10mH Inductor 180mA", "10mH Shielded Wirewound Inductor 180mA 19.2 Ohm Max Nonstandard"
P2: library part SWD-CONNECTOR_VAR1, "SWDIO SWCLK VDD GND NRST"
Q1: "N-Channel 20V 2.5A (Ta) 500mW (Ta) Surface Mount SOT-23-3"
R1 R2 R5 R9 R10 R11 R20 R21 R22 R24 R30 R31 R33 R38 R39 R51 R53: library part CR0603-J/-000ELF, "RES SMD 0 OHM JUMPER 1/10W 0603"
R3 R6: library part CR0603-JW-3k, "RES SMD 3K OHM 5% 1/10W 0603"
R4 R54 R55: library part CR0603-JW-102ELF, "RES SMD 1K OHM 5% 1/10W 0603"
R7 R12: library part RMCF0603FT33K2, "RES 33.2K OHM 1% 1/10W 0603"
R8: library part CR1206-JW-10MOm, "RES SMD 10M OHM 5% 1/4W 1206"
R13 R45 R46: library part CR0603-JW-473ELF, "RES SMD 47K OHM 5% 1/10W 0603"
R14 R44: library part CR0603-JW-104ELF, "RES 100K OHM 1% 1/10W 0603"
R15 R17: library part CR0603-JW-470k, "RES SMD 470K OHM 5% 1/10W 0603"
R16: library part CR1206-JW-10k, "RES SMD 10K OHM 5% 1/4W 1206"
R18: library part 3296W-1-101R, "100 ±10% ±250ppm/? 3296W Precision Potentiometer RoH"
R19 R27 R28 R29 R32 R56: library part RMCF0603FT10K0, "RES 10K OHM 1% 1/10W 0603"
R25 R26 R37 R48: library part CR0603-JW-4.7k, "RES SMD 4.7K OHM 5% 1/10W 0603"
R34: library part CR0603-JW-30Ohm, "RES SMD 30 OHM 5% 1/10W 0603"
R40 R42 R49: library part CR0603-JW-220ELF, "RES SMD 22 OHM 5% 1/10W 0603"
R41: library part RC0603JR-07120RL, "RES SMD 120 OHM 5% 1/10W 0603"
R47: library part CR0603-JW-104ELF, "RES SMD 100K OHM 5% 1/10W 0603"
S1: library part "GEIGER TUBE", "FUSE CLIP CARTRIDGE PCB (FOR GEIGER TUBE)"
S2: "Gas, Humidity, Pressure, Temperature Sensor I?C, SPI Output"
S3: "Accelerometer, Gyroscope, Magnetometer, 3 Axis Sensor I?C, UART Output"
S4: library part Si1145, "Optical Sensor Ambient, IR, Ultraviolet (UV) 850nm I?C 10-SMD Module, No Lead"
T1: library part TS555, "555 Type, Timer/Oscillator (Single) IC 2.7MHz 8-SO"
T2: library part "PZTA42T1(MPSA42 )", "Bipolar (BJT) Transistor NPN 300V 500mA 50MHz 1.5W Surface Mount SOT-223"
T3 T4: library part PZT3904(2N3904), "Bipolar (BJT) Transistor NPN 40V 200mA 300MHz 1.5W Surface Mount SOT-223"
U1 U2 U3 U9: library part PB_053398_0471, "Connector Header Surface Mount 4 position 0.049\" (1.25mm)"
U4 U7: "4x TVS DIODE 5.5V SOT23-6"
U5: library part AP3012KTR, "Boost Switching Regulator IC Positive Adjustable 1.25V 1 Output 500mA (Switch) SC-74A, SOT-753"
U6: "AVR AVR® ATmega Microcontroller IC 8-Bit 20MHz 32KB (16K x 16) FLASH 32-TQFP (7x7)"
U8: library part CP2102N-A01-GQFN28R, "USB Bridge, USB to UART USB 2.0 UART Interface 28-QFN (5x5)"
U10: "IC USB SWITCH DPDT 10MSOP"
U13: "SPST 6 1.27mm, Half Slide (Standard) Black SMD DIP Switches RoHS"
U14: "Ultra-low-power 32-bit MCU ARM®-based Cortex®-M0+"
X1: library part PLD_1X6_1.27, "CONN HEADER VERT 6POS 1.27MM"
XT1 XT4: library part ABM3B-8.000MHZ-10-1-U-T, "8MHz ±10ppm Crystal 10pF 200 Ohms 4-SMD, No Lead"
XT2: library part FC-135-32.7680K, "32.768kHz ±20ppm Crystal 12.5pF 70 kOhms 2-SMD, No Lead"

## Free pads (board coordinates)
  round 6 hole 3.2: 2(8.05,89.7) 3(81.75,89.7) 4(82.4,4) 5(7.4,4)

## Via types
v1: diameter 0.605, hole 0.3, Top Layer to Bottom Layer, tented both sides, 277 vias